# Altium PCB fastcar.PcbDoc (part 3 of 6)
Units mm, origin at the board's own origin, x right, y up, seen from the top; angles counter-clockwise.
Board outline 341.4 x 93 mm, 6 copper layers (Component Side, Signal 1, Signal 2, GND, POWER, Solder Side); 271 components, 375 nets, 1876 pads, 1375 vias.
Unrouted connection lines stored in the file: 4.
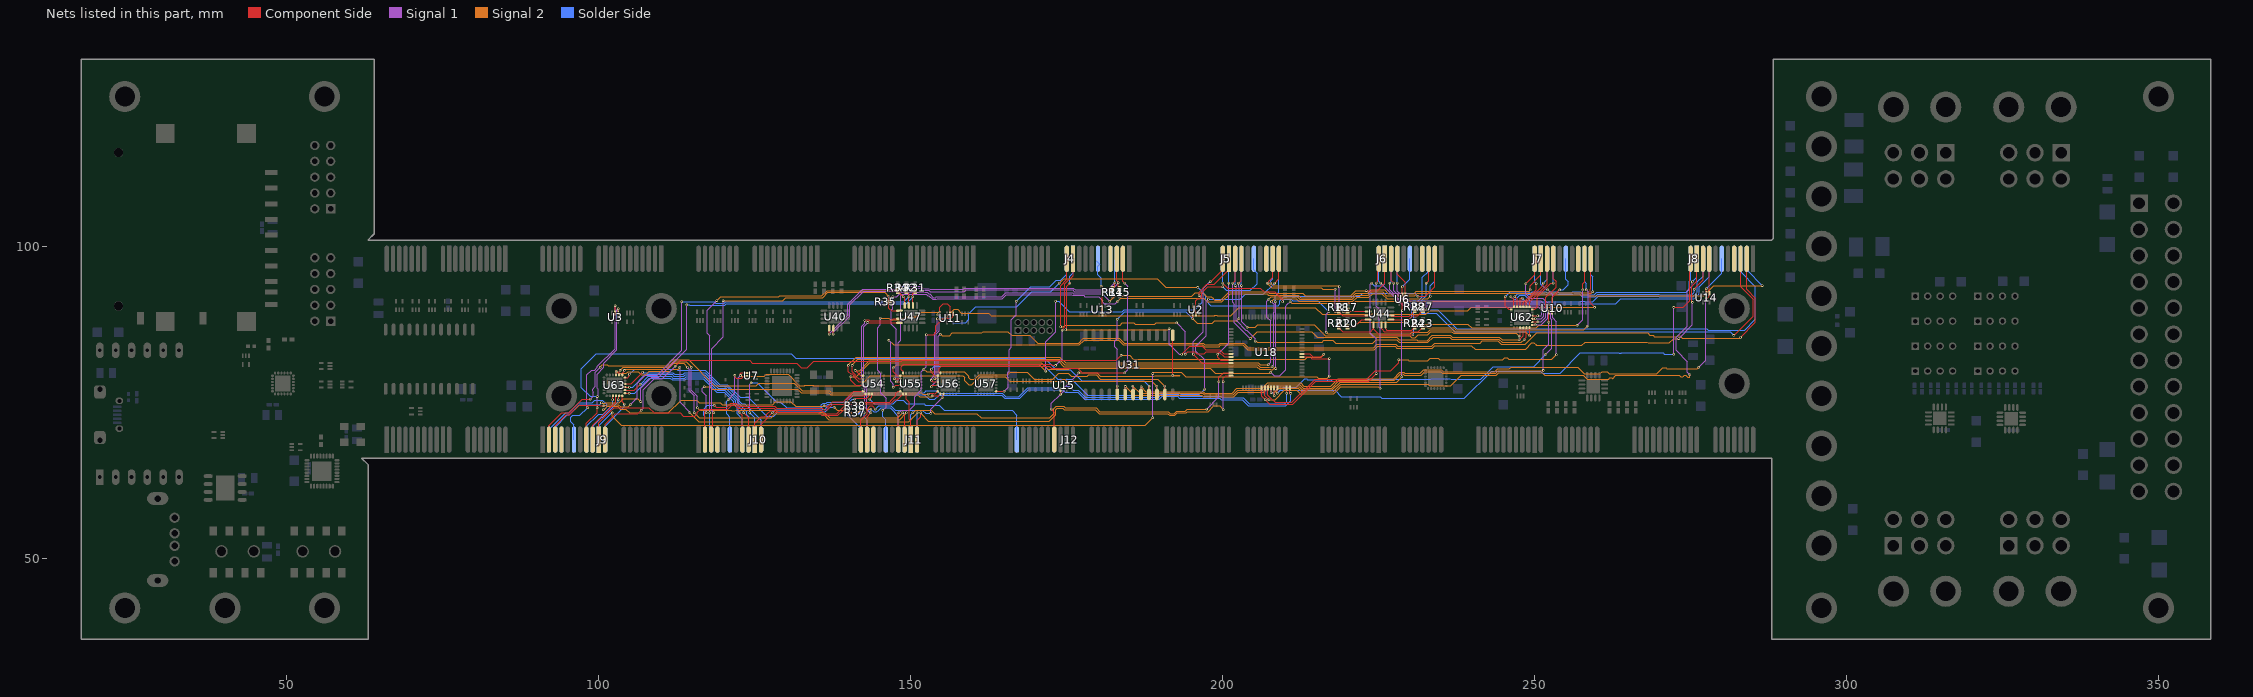
[diagram p7: the nets of this part, all layers, seen from the top]

## Via types
v1: diameter 0.4, hole 0.2, Component Side to Solder Side, 984 vias
v2: diameter 0.6, hole 0.3, Component Side to Solder Side, 212 vias
v3: diameter 0.5, hole 0.2, Component Side to Solder Side, 152 vias
v4: diameter 1, hole 0.5, Component Side to Solder Side, 27 vias

## Nets (pads, with @x,y where several pads share a name; then routed paths per layer and width w, separated by ;. In a path a pad name is that pad's centre, name@x,y a point inside that pad or via, vN(x,y) a via of type N, cw(c..) or ccw(c..) an arc to the next point about the centre after c; other vN are vias at no path point) (continued)
S4GPIO5: J4.A10 U55.18 | length 44.3
  Component Side w0.15: U55.18@148.75,79.675 148.75,79.949 148.5,80.199 148.5,80.701 148.899,81.1 172.5,81.1 172.7,80.9 v1(173.2,80.9) ; v1(174.25,86.572) 174.25,86.651 174.7,87.101 174.7,93.975 176,95.275 J4.A10@176,98
  Signal 1 w0.15: v1(173.2,80.9) 174.25,81.95 v1(174.25,86.572)
S4GPIO6: J4.B10 U18.9 | length 42.7
  Component Side w0.15: v1(174.8,86.6) 175,86.8 175,93.6 v1(175.5,94.1) ; v1(193.4,82.7) 194.699,84 196.7,84 197.275,83.425 199.5,83.425 200.175,82.75 U18.9@201.3,82.75
  Signal 1 w0.15: v1(191.4,86.8) 191.4,84.3 193,82.7 v1(193.4,82.7)
  Signal 2 w0.15: v1(174.8,86.6) 191.2,86.6 v1(191.4,86.8)
  Solder Side w0.15: v1(175.5,94.1) 175.5,95.23 176,95.73 J4.B10@176,98
S4GPIO7: J4.A11 U18.10 | length 44.1
  Component Side w0.15: v1(174,87.1) 174,93.699 175,94.699 J4.A11@175,98 ; v1(194,82.7) 194.425,83.125 195.476,83.125 195.801,82.8 197,82.8 197.325,83.125 199.376,83.125 200.251,82.25 U18.10@201.3,82.25
  Signal 1 w0.15: v1(192.6,87.7) 194,86.3 v1(194,82.7)
  Signal 2 w0.15: v1(174,87.1) 174.45,87.1 174.725,87.375 183.544,87.375 183.894,87.725 185.75,87.725 186,87.475 189.1,87.475 189.325,87.7 v1(192.6,87.7)
S4GPIO8: J4.B11 U57.7 | length 29
  Component Side w0.15: U57.7@163.675,76.75 v1(164.95,76.75)
  Signal 1 w0.15: v1(164.95,76.75) 165.625,77.425 165.625,78.9 165.5,79.025 165.5,79.7 165.8,80 165.8,80.099 165.775,80.124 165.775,83.448 166.1,83.773 166.1,85.576 166.115,85.591 166.115,88.239 166.9,89.024 v1(166.9,91.2)
  Solder Side w0.15: v1(166.9,91.2) 169.2,93.5 172.3,93.5 173.325,94.525 174.025,94.525 175,95.5 J4.B11@175,98
S4MISO: J4.B6 U13.2 | length 9.1
  Component Side w0.15: v1(180.5,93.6) 180.7,93.4 U13.2@180.7,89.27
  Solder Side w0.15: J4.B6@179.713,97.713 180.3,97.127 180,96.827 180,95.4 180.5,94.9 v1(180.5,93.6)
S4RXD: J4.A4
S4SCL: J4.A3 R15.2 U40.10 | length 57
  Component Side w0.15: v1(137.575,85.935) U40.10@137.575,86.835 ; J4.A3@183,98 183,94.471 183.27,94.201 v1(183.27,94.15) 183.27,93.39 R15.2@183.48,93.18
  Signal 1 w0.15: v1(137.575,85.935) 137.575,86.179 140.21,88.814 140.21,90.61 142.425,92.825 148.275,92.825 148.75,93.3 151.4,93.3 151.775,92.925 152.847,92.925 153.097,92.676 158.576,92.676 158.9,93 175.922,93 176.197,92.725 181.896,92.725 183.27,94.099 v1(183.27,94.15)
S4SDA: J4.B3 R14.2 U40.9 | length 56.9
  Component Side w0.15: v1(136.925,85.935) U40.9@136.925,86.835 ; R14.2@182.38,93.18 182.72,93.52 v1(182.72,94.15)
  Signal 1 w0.15: v1(136.925,85.935) 136.925,85.953 139.91,88.938 139.91,90.734 142.301,93.125 148.151,93.125 148.626,93.6 151.524,93.6 151.899,93.225 152.972,93.225 153.122,93.075 158.375,93.075 158.6,93.3 176.046,93.3 176.321,93.025 181.595,93.025 v1(182.72,94.15)
  Solder Side w0.15: v1(182.72,94.15) 182.72,97.72 J4.B3@183,98
S4SIG: J4.A2 U56.18 | length 50
  Component Side w0.15: U56.18@154.75,79.675 154.575,79.85 154.575,80.476 154.899,80.8 172.199,80.8 172.524,80.475 176.726,80.475 177.501,79.7 v1(184.3,79.7) ; J4.A2@184,98 184,94.4 v1(184.3,94.1)
  Signal 1 w0.15: v1(184.3,79.7) 184.8,80.2 184.8,93.6 v1(184.3,94.1)
S4TXD: J4.B4
S5ERR: J5.B2 U54.19 | length 88.4
  Component Side w0.15: v1(141.1,80.1) 141.95,79.25 U54.19@142.325,79.25
  Signal 1 w0.15: v1(208.4,91.1) 208.525,90.975 208.525,89.329 208.475,89.279 208.475,80.425 v1(208.5,80.4)
  Signal 2 w0.15: v1(141.1,80.1) 141.125,80.075 141.776,80.075 143.326,81.625 173.651,81.625 174.551,80.725 205.477,80.725 205.927,80.275 207.6,80.275 207.612,80.287 207.674,80.225 208.026,80.225 208.401,80.6 208.5,80.501 v1(208.5,80.4)
  Solder Side w0.15: v1(208.4,91.1) 208.4,92 209,92.6 J5.B2@209,98
S5GPIO1: J5.A8 U2.1 U31.5 | length 44.2
  Component Side w0.15: U31.5@183.095,76.25 183.095,77.595 v1(183.1,77.6) ; v1(195.2,88.4) U2.1@195.2,89.1 ; v1(202.5,94.1) 202.6,94.1 203,94.5 J5.A8@203,98
  Signal 1 w0.15: v1(183.1,77.6) 183.1,83.5 182.67,83.93 182.67,84.77 183.1,85.2 v1(183.1,88.3) ; v1(202.5,94.1) v1@202.6,94.1 ; v1(202.6,88.4) 202.625,88.425 202.625,93.474 202.575,93.524 202.575,93.976 202.625,94.026 202.625,94.075 v1@202.6,94.1
  Signal 2 w0.15: v1(195.2,88.4) 195.924,87.676 198.353,87.676 198.751,88.075 202.275,88.075 v1(202.6,88.4)
  Solder Side w0.15: v1(183.1,88.3) 184.3,89.5 194.1,89.5 v1(195.2,88.4)
S5GPIO2: J5.B8 U62.15 | length 58.1
  Component Side w0.15: v1(247.5,85.6) 247.68,85.78 U62.15@247.68,86.955
  Signal 1 w0.15: v1(203,93.7) 203.025,93.675 203.025,87.875 v1(203.9,87)
  Signal 2 w0.15: v1(203.9,87) 205.199,87 205.624,87.425 214.675,87.425 216.415,85.685 230.014,85.685 230.324,85.375 230.874,85.375 231.311,85.812 232.838,85.812 233.351,86.325 236.749,86.325 237.049,86.025 247.075,86.025 247.1,86 v1(247.5,85.6)
  Solder Side w0.15: v1(203,93.7) 203,97.95 203.025,97.975 J5.B8@203,98
S5GPIO3: J5.A9 U62.16 | length 61.2
  Component Side w0.15: v1(201.6,94.1) 202,94.5 J5.A9@202,98 ; v1(247.5,85) 247.675,85.175 ; 247.676,85.175 248.18,85.679 U62.16@248.18,86.955
  Signal 1 w0.15: v1(201.6,94.1) 201.6,91 201.875,90.725 201.875,87.725 v1(204.4,85.2)
  Signal 2 w0.15: v1(204.4,85.2) 205.5,86.3 214.249,86.3 215.164,85.385 227.915,85.385 228.3,85 231.099,85 231.224,84.875 232.75,84.875 233.6,85.725 236.5,85.725 236.8,85.425 244.351,85.425 244.776,85 v1(247.5,85)
S5GPIO4: J5.B9 U62.17 | length 61.9
  Component Side w0.15: v1(248.3,85) 248.68,85.38 U62.17@248.68,86.955 248.68,86.53
  Signal 1 w0.15: v1(202.025,93.7) 202.175,93.55 202.175,88.124 203.724,86.575 203.824,86.575 205.2,85.199 v1(205.2,84.8)
  Signal 2 w0.15: v1(205.2,84.8) 205.225,84.775 205.4,84.775 205.55,84.625 215.925,84.625 216.225,84.925 217.651,84.925 218.101,84.475 224.075,84.475 224.6,85 227.876,85 228.301,84.575 232.874,84.575 233.724,85.425 236.376,85.425 236.676,85.125 244.226,85.125 244.776,84.575 247.875,84.575 v1(248.3,85)
  Solder Side w0.15: J5.B9@202,98 202.025,97.975 v1(202.025,93.7)
S5GPIO5: J5.A10 U55.19 | length 73.6
  Component Side w0.15: 147.2,79.9 147.85,79.25 U55.19@148.325,79.25 ; 147.2,79.901 v1(147.2,80.5) ; v1(196.2,92.1) 196.2,92.6 197.475,93.875 198.675,93.875 201,96.2 J5.A10@201,98
  Signal 1 w0.15: v1(171.6,80) 171.6,84.734 173.2,86.334 v1(173.2,91.2)
  Signal 2 w0.15: v1(147.2,80.5) 147.725,81.025 170.574,81.025 v1(171.6,80)
  Solder Side w0.15: v1(173.2,91.2) 173.676,91.2 175.376,89.5 183.876,89.5 184.176,89.8 195.5,89.8 196.7,91 196.7,91.6 v1(196.2,92.1)
S5GPIO6: J5.B10 U18.11 | length 18.8
  Component Side w0.15: 199.2,82.2 199.649,81.75 U18.11@201.3,81.75 ; 199.2,82.2 v1(199.2,82.7)
  Signal 1 w0.15: v1(199.2,82.7) 200.975,84.475 200.975,94.075 v1(201,94.1)
  Solder Side w0.15: v1(201,94.1) J5.B10@201,98
S5GPIO7: J5.A11 U18.12 | length 24
  Component Side w0.15: v1(195.3,82.7) 196.75,81.25 U18.12@201.3,81.25 ; v1(198,94.3) 198.099,94.3 200,96.2 J5.A11@200,98
  Signal 1 w0.15: v1(195.3,82.7) 195.3,84.7 196.9,86.3 196.9,93.3 197.9,94.3 v1(198,94.3)
S5GPIO8: J5.B11 U62.18 | length 61.7
  Component Side w0.15: v1@200.001,94.1 200.826,93.275 206.05,93.275 206.625,92.7 208.3,92.7 209.6,91.4 v1(209.6,91.1) 209.673,91.1 v1@209.637,91.137 ; v1(249.18,85.62) U62.18@249.18,86.955
  Signal 1 w0.15: v1(216.6,86.2) 216.6,89.099 v1(217,89.5)
  Signal 2 w0.15: v1(216.6,86.2) 216.815,85.985 230.084,85.985 230.346,86.247 232.849,86.247 233.227,86.625 236.873,86.625 237.173,86.325 246.1,86.325 247.001,86.325 247.011,86.335 248.465,86.335 v1(249.18,85.62)
  Solder Side w0.15: v1(200,94.1) 200,94.3 J5.B11@200,98 ; v1(209.6,91.1) 209.6,91.276 209.848,91.525 210.976,91.525 211.201,91.3 215.199,91.3 v1(217,89.5)
S5MISO: J5.B6 U2.2 | length 18.2
  Component Side w0.15: U2.2@195.7,89.1 195.7,91.301 196.024,91.625 196.4,91.625 196.65,91.875 196.65,92.551 197.599,93.5 v1(200,93.5)
  Solder Side w0.15: v1(200,93.5) 200.55,92.95 204.451,92.95 205.5,93.999 205.5,95.7 205,96.2 J5.B6@205,98
S5RXD: J5.A4
S5SCL: J5.A3 R18.2 U44.3 | length 25
  Component Side w0.15: v1(207.1,94.1) 207.1,94.102 207.524,94.526 207.526,94.526 208,95 J5.A3@208,98 ; v1(218,89.5) 218.4,89.5 R18.2@218.6,89.7 218.6,89.5 219.205,88.895 U44.3@223.305,88.895
  Signal 1 w0.15: v1(218,89.5) v1(218,93.101)
  Signal 2 w0.15: v1(207.1,94.1) 207.825,93.375 215.822,93.375 216.072,93.125 217.976,93.125 v1(218,93.101)
S5SDA: J5.B3 R17.2 U44.2 | length 23.7
  Component Side w0.15: v1(219.3,89.5) 219.8,89.5 R17.2@220,89.7 220.155,89.545 U44.2@223.305,89.545
  Signal 1 w0.15: v1(218.7,93.5) 218.7,90.099 v1(219.3,89.5)
  Signal 2 w0.15: v1(207.7,94.101) 207.7,94.099 208.124,93.675 218.525,93.675 v1(218.7,93.5)
  Solder Side w0.15: v1(207.7,94.101) 207.7,94.501 208,94.801 J5.B3@208,98
S5SIG: J5.A2 U56.19 | length 80
  Component Side w0.15: v1(153.3,80.3) 153.3,79.8 153.85,79.25 U56.19@154.325,79.25 ; v1(208.3,94.1) 209,94.8 J5.A2@209,98
  Signal 1 w0.15: v1(197.1,77.1) 197.1,81.8 195.7,83.2 195.7,84 197.375,85.675 197.375,91.175 v1(197.7,91.5)
  Solder Side w0.15: v1(153.3,80.3) 153.775,80.775 171.451,80.775 173.549,78.677 175.823,78.677 178.4,76.1 189.603,76.1 190.053,76.55 193.001,76.55 193.276,76.275 196.275,76.275 v1(197.1,77.1) ; v1(197.7,91.5) 202.8,91.5 203.6,92.3 206.5,92.3 v1(208.3,94.1)
S5TXD: J5.B4
S6ERR: J6.B2 U54.20 | length 115.7
  Component Side w0.15: v1(140.6,80.9) 140.6,79.925 141.125,79.4 141.125,79.275 141.65,78.75 U54.20@142.325,78.75
  Signal 1 w0.15: v1(207.8,91.1) 208.225,90.674 208.225,89.453 208.175,89.403 208.175,80.975 v1(207.9,80.7)
  Signal 2 w0.15: v1(140.6,80.9) 140.6,81 141.525,81.925 173.775,81.925 174.675,81.025 198.277,81.025 205.601,81.025 206.051,80.575 207.476,80.575 207.612,80.711 207.748,80.575 207.775,80.575 v1(207.9,80.7) ; v1@207.8,91.101 208.274,91.575 211.823,91.575 212.222,91.176 220.878,91.176 221.527,91.825 223.424,91.825 224.024,92.425 225.5,92.425 226.35,91.575 232.875,91.575 v1(233.3,92)
  Solder Side w0.15: v1(233.3,92) 233.3,93.7 234,94.4 J6.B2@234,98
S6GPIO1: J6.A8 U6.1 U31.6 | length 67.7
  Component Side w0.15: U31.6@184.365,76.25 v1(184.365,77.535) ; J6.A8@228,98 228,95.5 228.975,94.525 ; v1(228.8,89.7) 228.8,91.2 229.29,91.69 U6.1@229.29,92.18 229.29,94.211 228.976,94.525
  Signal 1 w0.15: v1@228.675,89.624 228.675,79.124 v1(228.7,79.1)
  Signal 2 w0.15: v1(184.365,77.535) 185.8,76.1 196.65,76.1 196.875,75.875 201.775,75.875 202.5,76.6 206.6,76.6 207.5,77.5 212.226,77.5 212.751,76.975 217.578,76.975 218.803,78.2 220.851,78.2 227.9,78.2 v1@228.7,79 ; v1@228.7,79 v1(228.7,79.1)
S6GPIO2: J6.B8 U62.19 | length 35
  Component Side w0.15: U62.19@249.605,87.38 v1(250.11,87.38)
  Signal 1 w0.15: v1(227.993,94.107) 227.993,92.807 229.375,91.425 229.839,91.425 230.029,91.235 250.98,91.235 252.08,90.135 252.08,88.43 251.03,87.38 v1(250.11,87.38)
  Solder Side w0.15: v1(227.993,94.107) 228,94.1 J6.B8@228,98
S6GPIO3: J6.A9 U62.20 | length 34.7
  Component Side w0.15: J6.A9@227,98 227,94.501 227.225,94.276 ; 227.225,94.275 v1(227.4,94.1) ; U62.20@249.605,87.88 v1(250.52,87.88)
  Signal 1 w0.15: v1(227.4,94.1) 227.4,92.9 229.175,91.125 229.715,91.125 229.905,90.935 250.842,90.935 251.77,90.007 251.77,88.62 251.03,87.88 v1(250.52,87.88)
S6GPIO4: J6.B9 U62.21 | length 34.1
  Component Side w0.15: U62.21@249.605,88.38 v1(250.12,88.38)
  Signal 1 w0.15: v1(226.8,94.1) 226.8,93 228.975,90.825 229.59,90.825 229.78,90.635 250.703,90.635 251.46,89.878 251.46,88.81 251.03,88.38 v1(250.12,88.38)
  Solder Side w0.15: v1(226.8,94.1) 226.975,94.275 226.975,97.975 J6.B9@227,98
S6GPIO5: J6.A10 U55.20 | length 101.8
  Component Side w0.15: v1(147.35,78.75) U55.20@148.325,78.75 ; v1(223,92.9) 224.8,92.9 226,94.1 J6.A10@226,98
  Signal 1 w0.15: v1(147.35,78.75) 147.412,78.75 147.7,79.038 147.7,86.7 146.875,87.525 146.875,89.775 147.1,90 v1(147.1,91.9) 147.775,91.9 148.5,92.625 152.573,92.625 152.6,92.625 152.849,92.376 153.023,92.376 153.624,91.775 153.976,91.775 154.101,91.9 164.55,91.9 165.201,92.551 175.947,92.551 176.072,92.425 180.675,92.425 v1(181.9,91.2)
  Signal 2 w0.15: v1(181.9,91.2) 182.675,91.975 195.05,91.975 195.6,92.525 196.8,92.525 197.4,91.925 197.876,91.925 198.126,91.925 198.196,91.925 198.475,91.647 198.475,91.624 198.724,91.375 199.72,91.375 201.045,92.7 207.227,92.7 207.452,92.475 212.796,92.475 213.195,92.076 220.505,92.076 221.329,92.9 v1(223,92.9)
S6GPIO6: J6.B10 U18.23 | length 43.6
  Component Side w0.15: U18.23@206.25,77.3 206.25,75.949 v1(206.8,75.4) ; v1(206.8,75.4) 207.224,74.975 ; 207.225,74.975 207.499,74.7 211.224,74.7 214.924,78.4 223.4,78.4 v1(224.6,79.6)
  Signal 1 w0.15: v1(223.9,94.1) 223.675,93.875 223.675,86.085 224.6,85.16 v1(224.6,79.6)
  Solder Side w0.15: v1(223.9,94.1) 224.325,93.675 225.675,93.675 226,94 J6.B10@226,98
S6GPIO7: J6.A11 U18.24 | length 42.6
  Component Side w0.15: U18.24@206.75,77.3 206.75,76.05 v1(207.4,75.4) ; v1(224.6,94.1) 224.875,94.375 224.875,97.875 J6.A11@225,98
  Signal 1 w0.15: v1(224.6,94.1) 224.625,94.075 224.625,90.397 225.055,89.967 225.055,87.056 225.225,86.886 v1(225.225,77.2)
  Signal 2 w0.15: v1(207.4,75.4) 208.4,75.4 209.9,76.9 211.875,76.9 212.4,76.375 217.826,76.375 218.951,77.5 224.925,77.5 v1(225.225,77.2)
S6GPIO8: J6.B11 U62.22 | length 34
  Component Side w0.15: U62.22@249.605,88.88 v1(250.47,88.88)
  Signal 1 w0.15: v1(225.3,94.1) 225.3,94.076 228.851,90.525 229.466,90.525 229.691,90.3 245.459,90.3 245.464,90.305 245.816,90.305 245.821,90.3 250.6,90.3 251.15,89.75 251.15,89 251.03,88.88 v1(250.47,88.88)
  Solder Side w0.15: J6.B11@225,98 225,94.4 v1(225.3,94.1)
S6MISO: J6.B6 U6.2 | length 6.3
  Component Side w0.15: U6.2@228.79,92.18 228.8,92.19 v1(228.8,93.5)
  Solder Side w0.15: v1(228.8,93.5) 230,94.699 J6.B6@230,98
S6RXD: J6.A4
S6SCL: J6.A3 R21.2 U44.5 | length 26.8
  Component Side w0.15: R21.2@218.6,87.1 218.6,86.9 219.2,86.3 223.71,86.3 224.155,86.745 ; U44.5@224.155,87.395 224.155,86.745 ; v1(230.5,85.8) 225.1,85.8 224.155,86.745 ; v1(232.6,94.1) 233,94.5 J6.A3@233,98
  Solder Side w0.15: v1(230.5,85.8) 230.625,85.925 230.625,90.1 232.6,92.076 v1(232.6,94.1)
S6SDA: J6.B3 R20.2 U44.4 | length 24.1
  Component Side w0.15: R20.2@220,87.1 v1(221.1,87.1) 222.245,88.245 U44.4@223.305,88.245
  Signal 2 w0.15: v1(221.1,87.1) 221.8,87.8 v1(229.4,87.8)
  Solder Side w0.15: v1(229.4,87.8) 230.325,88.725 230.325,90.225 232,91.9 232,95 233,96 J6.B3@233,98
S6SIG: J6.A2 U56.20 | length 103.7
  Component Side w0.15: v1(153.85,78.75) U56.20@154.325,78.75 ; v1(231.3,92) 232.5,92 234,93.5 J6.A2@234,98
  Signal 1 w0.15: v1(153.85,78.75) 154.1,79 154.1,85.975 154.575,86.45 154.575,88.099 154.7,88.224 154.7,88.6 v1(154.3,89) 154.251,89 v1@154.275,89.024
  Signal 2 w0.15: v1(173.8,94.1) 174.5,94.8 189.5,94.8 190.9,93.4 v1(196,93.4)
  Solder Side w0.15: v1(154.3,89) 154.725,88.575 155.925,88.575 156.725,87.775 158.775,87.775 159.275,88.275 159.275,89.175 160.375,90.275 166.975,90.275 169.4,92.7 172.4,92.7 v1(173.8,94.1) ; v1@196,93.399 197.224,92.175 ; 197.225,92.175 197.275,92.125 197.275,91.324 198.098,90.5 208.9,90.5 209.175,90.775 209.175,91.276 209.899,92 221.951,92 222.451,92.5 222.7,92.5 222.725,92.475 230.824,92.475 v1(231.3,92)
S6TXD: J6.B4
S7ERR: J7.B2 U54.21 | length 142.5
  Component Side w0.15: v1(140,80.9) 140,79.9 140.375,79.525 140.576,79.525 140.825,79.276 140.825,79.075 141.65,78.25 U54.21@142.325,78.25
  Signal 1 w0.15: v1(207.3,81) 207.675,81.375 207.675,88.026 207.05,88.651 207.05,91.149 v1@207.4,91.499
  Signal 2 w0.15: v1(140,80.9) 140.099,80.9 140.1,80.901 140,81.001 141.224,82.225 173.899,82.225 174.799,81.325 205.726,81.325 206.051,81 v1(207.3,81) ; v1(207.4,91.5) 207.775,91.875 211.947,91.875 212.346,91.476 220.754,91.476 221.403,92.125 223.3,92.125 223.9,92.725 225.625,92.725 226.25,92.1 230.799,92.1 231.173,92.475 231.224,92.475 231.249,92.5 249.576,92.5 249.601,92.525 258.625,92.525 258.675,92.475 259.075,92.475 v1(259.3,92.7)
  Solder Side w0.15: J7.B2@259,98 259,95.4 259.3,95.1 v1(259.3,92.7)
S7GPIO1: J7.A8 U10.1 U31.7 | length 89
  Component Side w0.15: v1(185.6,77.6) 185.635,77.565 U31.7@185.635,76.25 ; v1(252.3,87.8) U10.1@252.3,89.4 252.3,89.7 251.8,90.2 251.8,91.83 253.425,93.455 253.425,94.376 253,94.801 J7.A8@253,97.42
  Signal 1 w0.15: v1(251.4,80.1) 251.375,80.125 251.375,83.375 252.3,84.3 v1(252.3,87.8)
  Signal 2 w0.15: v1(185.6,77.6) 186.8,76.4 196.775,76.4 197,76.175 201.651,76.175 202.376,76.9 206.476,76.9 207.376,77.8 212.35,77.8 212.875,77.275 217.454,77.275 218.679,78.5 220.726,78.5 227.499,78.5 228.524,79.525 228.876,79.525 229.075,79.325 231.799,79.325 232.369,79.895 234.917,79.895 235.187,79.625 243.731,79.625 244.181,80.075 251.375,80.075 v1(251.4,80.1)
S7GPIO2: J7.B8 U62.24 | length 10.2
  Component Side w0.15: U62.24@249.605,89.88 250.05,89.88 250.39,90.22 250.39,91.891 252.599,94.1 v1(253,94.1)
  Solder Side w0.15: v1(253,94.1) 253,97.52 252.76,97.76 J7.B8@253,98
S7GPIO3: J7.A9 U62.1 | length 7.3
  Component Side w0.15: U62.1@249.18,90.305 249.18,91.106 252,93.926 252,96.34 J7.A9@252.05,96.39
S7GPIO4: J7.B9 U62.2 | length 9.1
  Component Side w0.15: U62.2@248.68,90.305 248.68,91.03 251.41,93.76 v1(251.41,94.1)
  Solder Side w0.15: v1(251.41,94.1) 252,94.69 J7.B9@252,98
S7GPIO5: J7.A10 U55.21 | length 125.6
  Component Side w0.15: v1(147.7,78.25) U55.21@148.325,78.25 ; v1(249.3,93) 249.3,93.7 251,95.4 J7.A10@251,98
  Signal 1 w0.15: v1(147.7,78.25) 148,78.55 148,84.55 148.4,84.95 148.4,91.4 148.375,91.425 148.375,92.076 148.624,92.325 151.676,92.325 151.924,92.325 152.449,92.325 152.476,92.325 152.725,92.076 152.899,92.076 153.5,91.475 154.1,91.475 154.225,91.6 164.674,91.6 165.325,92.251 175.823,92.251 175.948,92.125 177.699,92.125 177.899,91.925 180.147,91.925 180.775,91.297 180.775,91.024 181.024,90.775 182.775,90.775 v1(183.2,91.2)
  Signal 2 w0.15: 183,91.1 v1@183.15,91.25 ; v1(183.2,91.2) 183.675,91.675 196.923,91.675 197.524,91.075 199.844,91.075 201.17,92.4 207.103,92.4 207.328,92.175 212.072,92.175 212.471,91.776 220.629,91.776 221.328,92.475 223.225,92.475 223.775,93.025 225.951,93.025 226.551,92.425 230.699,92.425 231.049,92.775 231.1,92.775 231.125,92.8 231.852,92.8 249.1,92.8 v1(249.3,93)
S7GPIO6: J7.B10 U18.25 | length 68.4
  Component Side w0.15: U18.25@207.25,77.3 207.25,76.15 207.575,75.825 208.4,75 211.1,75 214.8,78.7 223.1,78.7 224.175,79.775 ; 224.175,79.776 224.424,80.025 225.248,80.025 226.925,80.025 228.2,81.3 v1(228.2,81.8)
  Signal 1 w0.15: v1(252.099,93) 252.875,92.224 252.875,88.524 253.499,87.899 v1(253.499,82.6)
  Signal 2 w0.15: v1(228.2,81.8) 229.699,81.8 229.824,81.675 232.874,81.675 233.244,82.045 234.556,82.045 234.801,81.8 244.899,81.8 245.223,82.125 245.576,82.125 245.825,81.875 252.775,81.875 v1(253.499,82.6)
  Solder Side w0.15: J7.B10@251,98 251,94.291 250.985,94.276 250.985,93.924 251.909,93 v1(252.099,93)
S7GPIO7: J7.A11 U18.26 | length 66.9
  Component Side w0.15: v1(207.75,76.55) U18.26@207.75,77.3 ; v1(248.6,94) 250,95.4 J7.A11@250,98
  Signal 1 w0.15: v1(207.75,76.55) v1@207.8,76.5 ; v1(248.6,94) 248.6,92.4 249.3,91.7 251.3,91.7 252.575,90.425 252.575,88.4 252.725,88.25 252.725,83.625 v1(251.8,82.7)
  Solder Side w0.15: v1(207.75,76.55) 208.249,76.55 208.899,77.2 209.5,77.2 209.7,77.4 211.799,77.4 213.124,78.725 213.476,78.725 213.576,78.625 216.65,78.625 216.8,78.475 217.4,78.475 217.6,78.675 228.523,78.675 233.303,78.675 233.423,78.795 236.504,78.795 236.624,78.675 241.342,78.675 243.392,80.725 249.825,80.725 v1(251.8,82.7)
S7GPIO8: J7.B11 U62.3 | length 8.7
  Component Side w0.15: U62.3@248.18,90.305 248.18,90.96 250.27,93.05 v1(250.27,93.99)
  Solder Side w0.15: J7.B11@250,98 250,94.26 v1(250.27,93.99)
S7MISO: J7.B6 U10.2 | length 10.2
  Component Side w0.15: U10.2@252.8,89.4 252.8,91.84 253.96,93 v1(254,93)
  Solder Side w0.15: v1(254,93) 254.599,93 255.425,93.826 255.425,94.276 255,94.701 J7.B6@255,98
S7RXD: J7.A4
S7SCL: J7.A3 R24.2 U44.8 | length 43.4
  Component Side w0.15: U44.8@226.105,87.395 226.105,86.795 226.325,86.575 230.275,86.575 R24.2@230.8,87.1 v1(231.4,87.1) ; v1(257.699,93) 257.699,94.001 258,94.301 J7.A3@258,98
  Signal 1 w0.15: v1(256.8,87.3) 257.699,88.199 v1(257.699,93)
  Signal 2 w0.15: v1(231.4,87.1) 231.825,87.525 239.294,87.525 239.894,86.925 245.851,86.925 246.752,86.925 246.762,86.935 250.266,86.935 250.631,87.3 v1(256.8,87.3)
S7SDA: J7.B3 R23.2 U44.7 | length 45.8
  Component Side w0.15: U44.7@225.455,87.395 225.455,86.745 225.925,86.275 231.376,86.275 232.1,86.999 R23.2@232.1,87.1 v1(232.7,87.1)
  Signal 1 w0.15: v1(258.299,93) 258.625,92.674 258.625,87.425 v1(258.4,87.2)
  Signal 2 w0.15: v1(232.7,87.1) 232.875,86.925 237.075,86.925 237.375,86.625 245.975,86.625 246.876,86.625 246.886,86.635 257.835,86.635 v1(258.4,87.2)
  Solder Side w0.15: J7.B3@258,98 258,94.301 258.3,94.001 ; v1(258.299,93) 258.299,94.001
S7SIG: J7.A2 U56.21 | length 127.5
  Component Side w0.15: v1(153.3,78.5) 153.55,78.25 U56.21@154.325,78.25 ; J7.A2@259,98 259,93.225 258.875,93.1 258.875,90.925 v1(259.6,90.2)
  Signal 1 w0.15: v1(153.3,78.5) 153.3,78.801 153.8,79.301 153.8,86.099 154.275,86.574 v1(154.275,88.4)
  Signal 2 w0.15: v1(154.275,88.4) 155.525,88.4 157.001,89.876 157.525,89.876 158.101,89.3 162.5,89.3 162.9,88.9 198.699,88.9 198.724,88.925 199.076,88.925 199.101,88.9 201.301,88.9 202.576,90.175 210.074,90.175 ; 210.074,90.175 214.849,90.175 215.949,89.075 223.875,89.075 224,89.2 226.3,89.2 226.425,89.075 232.576,89.075 233.177,89.676 239.275,89.676 239.799,90.2 v1(259.6,90.2)
S7TXD: J7.B4
S8ERR: J8.B2 U54.22 | length 168.5
  Component Side w0.15: v1(140.4,79.1) 140.4,78.5 141.15,77.75 U54.22@142.325,77.75
  Signal 1 w0.15: v1(207.7,79.8) 208.225,79.275 209.176,79.275 210.1,80.199 210.1,90.4 210.375,90.675 ; 210.376,90.675 v1(210.8,91.1)
  Signal 2 w0.15: v1(140.4,79.1) 141.225,79.1 143.45,81.325 170.876,81.325 171.926,80.275 175.349,80.275 175.5,80.425 198.028,80.425 198.779,79.675 207.575,79.675 v1(207.7,79.8) ; v1(210.8,91.1) 211.024,90.876 221.002,90.876 221.351,91.225 248.725,91.225 249.725,92.225 258.5,92.225 258.625,92.1 273.247,92.1 273.271,92.076 277.076,92.076 278.7,93.7 v1(286.5,93.7)
  Solder Side w0.15: J8.B2@284,98 284,96.2 v1(286.5,93.7)
S8GPIO1: J8.A8 U14.1 U31.8 | length 113.1
  Component Side w0.15: v1(186.9,77.5) 186.905,77.505 U31.8@186.905,76.25 ; v1(277.499,91.7) 277.7,91.7 278,92 U14.1@278,92.48 ; U14.1@278,92.41 J8.A8@278,98